# KiCad board A0180_eol_ecu_mix.kicad_pcb
title: ${PART_NUM} ${PCB_NAME} ${ASSY_VARIANT} ${ASSY_NAME}; date: 2025-03-12; rev: ${REVISION}${REVISION_SCH}; company: ${COMPANY}; note: ${PART_NUM}; note: ${PRJ_NUM}; note: ${PRJ_NAME}; note: ${DESIGNED}; note: ${PART_NUM_ICT}
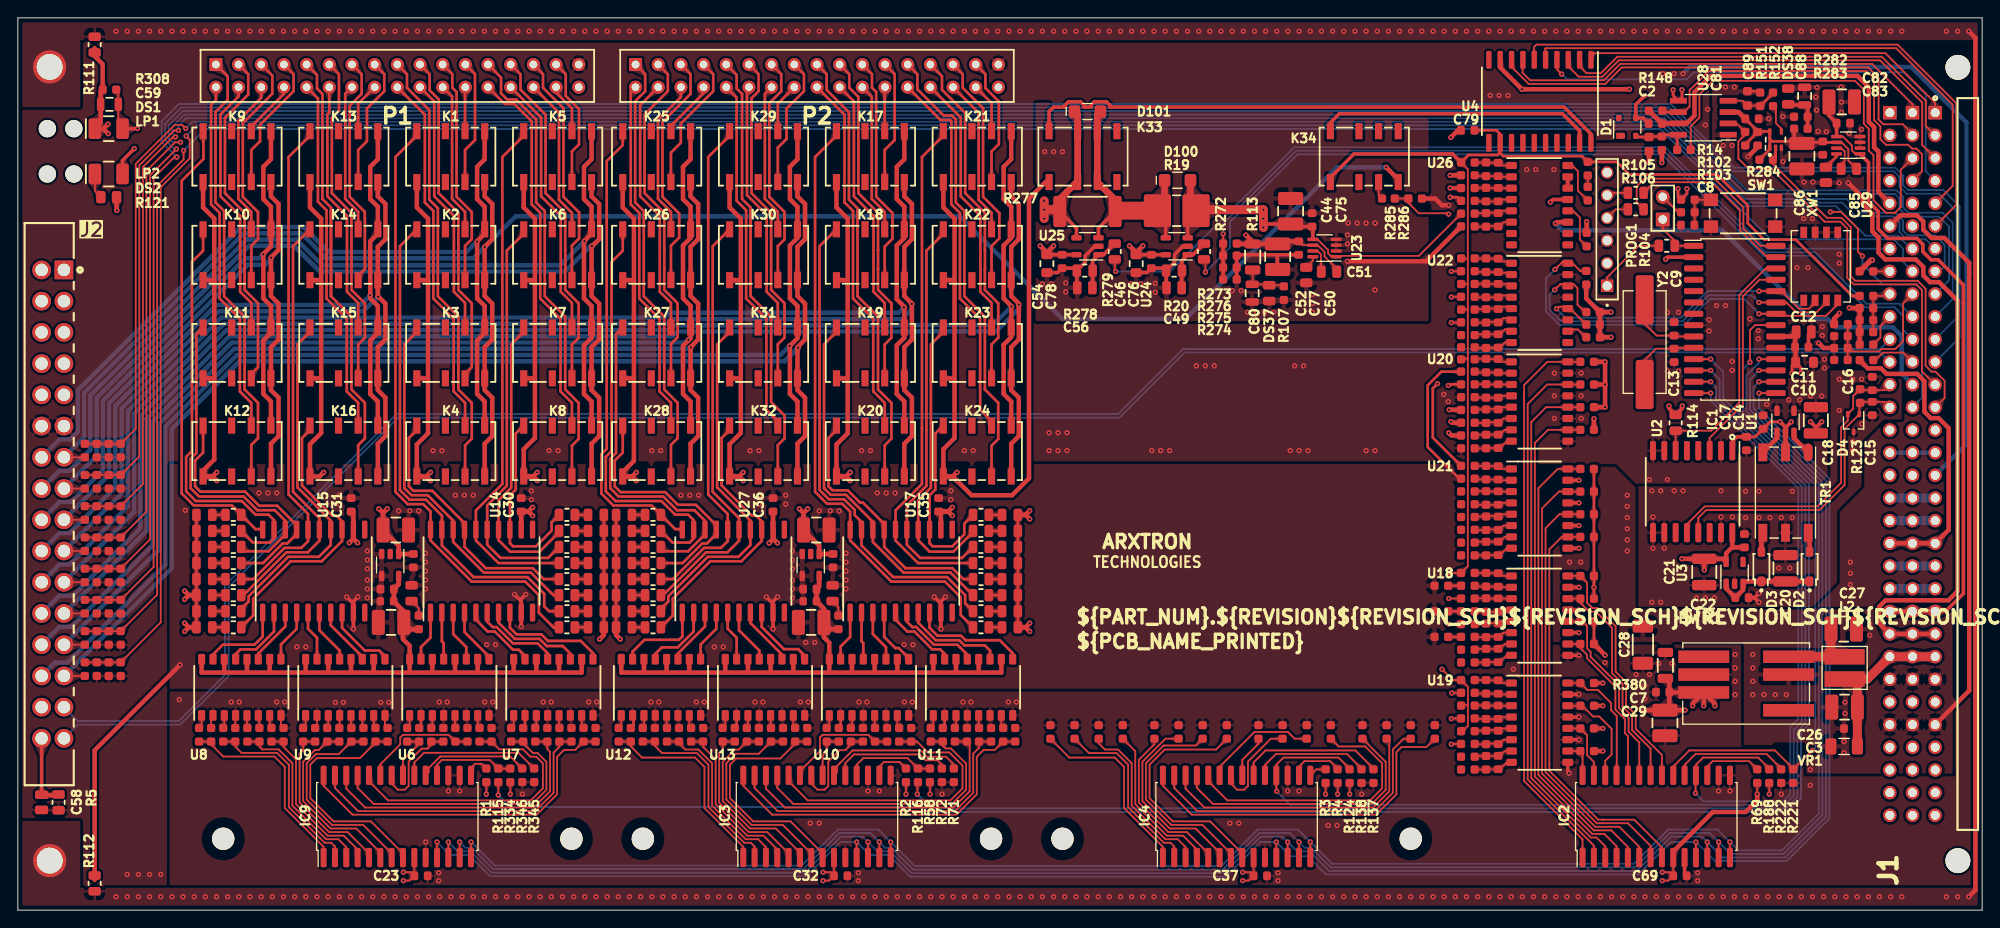
[diagram p0: board, top side]
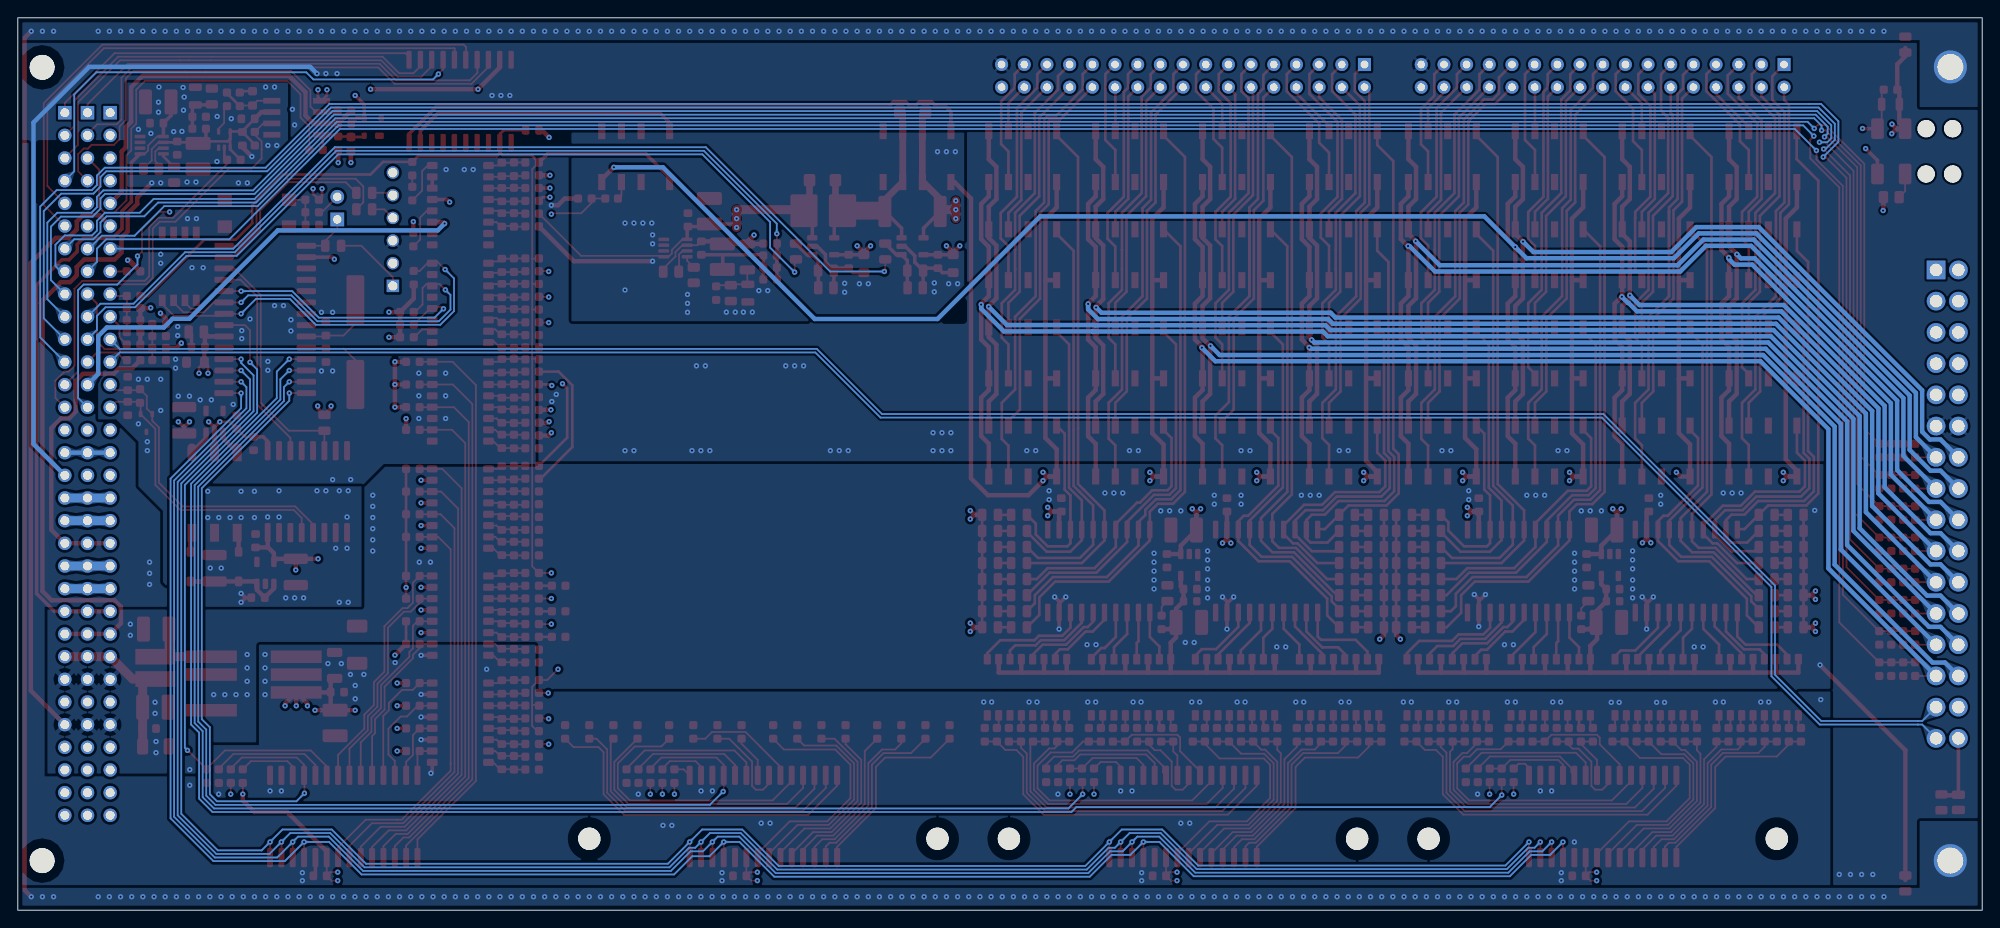
[diagram p1: board, bottom side, seen from below]

Outline 220 x 100 mm; copper layers: Top, In1.Cu, In2.Cu, Bottom. Coordinates in mm from the lower left corner of the outline.
Outline path: 0,100 220,100 220,0 0,0 0,100
Stack: Top 0.035mm / dielectric 0.48mm FR4 er 4.5 / In1.Cu 0.035mm / dielectric 0.48mm FR4 er 4.5 / In2.Cu 0.035mm / dielectric 0.48mm FR4 er 4.5 / Bottom 0.035mm

## Placement (name value [footprint] x y rotation side)
C1  C0603C103F3GACTU  [CAPC1608X92]  182.69 85.85 90 top
C2  06035C104KAZ2A  [CAPC1608X90N]  183.4 88.16 180 top
C3  06035C104KAZ2A  [CAPC1608X90N]  205.27 20.35 180 top
C4  06035C104KAZ2A  [CAPC1608X90N]  165.8 83.01 270 top
C5  06035C104KAZ2A  [CAPC1608X90N]  165.8 80.19 270 top
C6  06035C104KAZ2A  [CAPC1608X90N]  165.8 77.36 270 top
C7  06035C104KAZ2A  [CAPC1608X90N]  184.22 24.43 180 top
C8  06035C104KAZ2A  [CAPC1608X90N]  187.02 76.78 180 top
C9  08055A220JAT2A  [CAPC1608X90N]  185.5 65.14 90 top
C10  08055C105KAT2A  [CAPC2012X94]  200.11 61.4 0 top
C11  06035C104KAZ2A  [CAPC1608X90N]  199.8 63.1 0 top
C12  C0805C101K5RACTU  [CAPC2012X120N]  200.02 64.8 0 top
C13  08055A220JAT2A  [CAPC1608X90N]  185.5 62.17 270 top
C14  06035C104KAZ2A  [CAPC1608X90N]  195.47 54.7 90 top
C15  08055A220JAT2A  [CAPC1608X90N]  207.7 56.22 270 top
C16  08055A220JAT2A  [CAPC1608X90N]  207.7 59.02 90 top
C17  06035C104KAZ2A  [CAPC1608X90N]  193.6 52.3 270 top
C18  12103C106KAT2A  [CAPC3225X94N]  201.38 54.9 90 top
C19  06035C104KAZ2A  [CAPC1608X90N]  193.38 41.4 270 top
C20  12103C106KAT2A  [CAPC3225X94N]  197.97 38.32 90 top
C21  12103C106KAT2A  [CAPC3225X94N]  188.88 37.9 270 top
C22  06035C104KAZ2A  [CAPC1608X90N]  193.1 35.03 0 top
C23  06035C104KAZ2A  [CAPC1608X90N]  45.16 3.85 0 top
C24  06035C104KAZ2A  [CAPC1608X90N]  44.3 39.16 90 top
C25  06035C104KAZ2A  [CAPC1608X90N]  41.36 35.98 0 top
C26  CL32B106KBJNNWE  [CAPC3225X280N]  204.6 22.75 180 top
C27  CL32B106KBJNNWE  [CAPC3225X280N]  204.5 31.5 0 top
C28  1808HC471KAT2A  [CAPC4520X102N]  182 29.75 270 top
C29  CL32B106KBJNNWE  [CAPC3225X280N]  184.47 20.98 270 top
C30  06035C104KAZ2A  [CAPC1608X90N]  56.38 45.42 270 top
C31  06035C104KAZ2A  [CAPC1608X90N]  37.33 45.42 270 top
C32  06035C104KAZ2A  [CAPC1608X90N]  92.16 3.85 0 top
C33  06035C104KAZ2A  [CAPC1608X90N]  91.3 39.16 90 top
C34  06035C104KAZ2A  [CAPC1608X90N]  88.7 35.98 0 top
C35  06035C104KAZ2A  [CAPC1608X90N]  103.13 45.42 270 top
C36  06035C104KAZ2A  [CAPC1608X90N]  84.58 45.42 270 top
C37  06035C104KAZ2A  [CAPC1608X90N]  139.16 3.85 0 top
C38  06035C104KAZ2A  [CAPC1608X90N]  165.8 37.01 270 top
C39  06035C104KAZ2A  [CAPC1608X90N]  165.8 34.19 270 top
C40  06035C104KAZ2A  [CAPC1608X90N]  165.8 31.36 270 top
C41  06035C104KAZ2A  [CAPC1608X90N]  165.8 28.54 270 top
C42  06035C104KAZ2A  [CAPC1608X90N]  165.8 25.01 270 top
C43  06035C104KAZ2A  [CAPC1608X90N]  165.8 22.19 270 top
C44  CL32B106KBJNNWE  [CAPC3225X280N]  142.55 78.33 90 top
C45  06035C104KAZ2A  [CAPC1608X90N]  165.8 19.36 270 top
C46  08055C105KAT2A  [CAPC2012X94]  125.25 72.45 90 top
C47  06035C104KAZ2A  [CAPC1608X90N]  165.8 16.54 270 top
C48  06035C104KAZ2A  [CAPC1608X90N]  165.8 61.01 270 top
C49  C0805C101K5RACTU  [CAPC2012X120N]  129.5 69.75 0 top  (not fitted)
C50  GRM2195C1H103FA01D  [CAPC2012X135N]  144.3 71.17 90 top
C51  GRM2195C1H103FA01D  [CAPC2012X135N]  146.85 71.55 0 top
C52  CL32B106KBJNNWE  [CAPC3225X280N]  141.1 73.23 270 top
C53  06035C104KAZ2A  [CAPC1608X90N]  165.8 58.19 270 top
C54  08055C105KAT2A  [CAPC2012X94]  115.25 72.45 90 top
C55  06035C104KAZ2A  [CAPC1608X90N]  165.8 55.36 270 top
C56  C0805C101K5RACTU  [CAPC2012X120N]  119.5 69.75 0 top  (not fitted)
C57  06035C104KAZ2A  [CAPC1608X90N]  165.8 52.54 270 top
C58  C0805C101K5RACTU  [CAPC2012X120N]  2.66 12.08 90 top
C59  CGA4J2NP01H223J125AA  [CAPC2012X145N]  10.26 90.31 180 top
C60  CL32B106KBJNNWE  [CAPC3225X280N]  42.33 42.6 0 top
C61  06035C104KAZ2A  [CAPC1608X90N]  165.8 49.01 270 top
C62  CL32B106KBJNNWE  [CAPC3225X280N]  41.8 32.25 180 top
C63  06035C104KAZ2A  [CAPC1608X90N]  165.8 46.19 270 top
C64  GRM1885C1H102FA01D  [CAPC1608X55N]  41.34 34.62 0 top
C65  CL32B106KBJNNWE  [CAPC3225X280N]  89.43 42.6 0 top
C66  06035C104KAZ2A  [CAPC1608X90N]  165.8 43.36 270 top
C67  CL32B106KBJNNWE  [CAPC3225X280N]  88.85 32.25 180 top
C68  06035C104KAZ2A  [CAPC1608X90N]  165.8 40.54 270 top
C69  06035C104KAZ2A  [CAPC1608X90N]  186.16 3.85 0 top
C70  GRM1885C1H102FA01D  [CAPC1608X55N]  88.7 34.62 0 top
C71  06035C104KAZ2A  [CAPC1608X90N]  165.8 72.26 270 top
C72  06035C104KAZ2A  [CAPC1608X90N]  165.8 69.44 270 top
C73  06035C104KAZ2A  [CAPC1608X90N]  165.8 66.61 270 top
C74  06035C104KAZ2A  [CAPC1608X90N]  165.8 63.79 270 top
C75  06035C104KAZ2A  [CAPC1608X90N]  144.95 77.36 270 top
C76  06035C104KAZ2A  [CAPC1608X90N]  126.95 72.7 90 top
C77  06035C104KAZ2A  [CAPC1608X90N]  143.45 74.2 90 top
C78  06035C104KAZ2A  [CAPC1608X90N]  116.95 72.7 90 top
C79  06035C104KAZ2A  [CAPC1608X90N]  162.38 87.4 180 top
C80  CGA4J2NP01H223J125AA  [CAPC2012X145N]  138.24 69.15 90 top
C81  06035C104KAZ2A  [CAPC1608X90N]  194.22 88.69 0 top
C82  CL32B106KBJNNWE  [CAPC3225X280N]  204.27 90.58 0 top
C83  06035C104KAZ2A  [CAPC1608X90N]  204.45 88.2 180 top
C84  GRM2195C1H103FA01D  [CAPC2012X135N]  202.5 82.4 90 top
C85  GRM2195C1H103FA01D  [CAPC2012X135N]  205.07 83.08 0 top
C86  CL32B106KBJNNWE  [CAPC3225X280N]  199.81 84.5 270 top
C87  06035C104KAZ2A  [CAPC1608X90N]  202.15 85.4 90 top
C88  CGA4J2NP01H223J125AA  [CAPC2012X145N]  200.12 91.23 270 top
C89  C0603C103F3GACTU  [CAPC1608X92]  193.72 90.98 270 top
C90  06035C104KAZ2A  [CAPC1608X90N]  194.85 86.45 270 top
D1  BAS28  [SOT143-4P190_230X110L30X43]  180.25 87.78 90 top
D2  SBR80520LT1G  [SOD3716X118]  200.68 38.5 90 top
D3  SBR80520LT1G  [SOD3716X118]  195.28 38.5 90 top
D4  ESDCAN05-2BWY  [SOT65P210X110-3]  205.6 54.6 270 top  (not fitted)
D100  STPS2H100ZFY  [SODFL3516X110]  129.88 81.8 0 top
D101  STPS2H100ZFY  [SODFL3516X110]  119.79 89.5 0 top
DS1  597-3308-202F  [LEDM3527X190]  10.17 87.58 0 top
DS2  597-3308-202F  [LEDM3527X190]  10.17 82.5 0 top
DS3  LTST-C171KGKT  [LEDC2012X120N]  64.74 31.7 0 top  (not fitted)
DS4  LTST-C171KGKT  [LEDC2012X120N]  64.74 33.5 0 top  (not fitted)
DS5  LTST-C171KGKT  [LEDC2012X120N]  64.74 35.3 0 top  (not fitted)
DS6  LTST-C171KGKT  [LEDC2012X120N]  64.74 37.1 0 top  (not fitted)
DS7  LTST-C171KGKT  [LEDC2012X120N]  64.74 38.9 0 top  (not fitted)
DS8  LTST-C171KGKT  [LEDC2012X120N]  64.74 40.7 0 top  (not fitted)
DS9  LTST-C171KGKT  [LEDC2012X120N]  64.74 42.5 0 top  (not fitted)
DS10  LTST-C171KGKT  [LEDC2012X120N]  64.74 44.3 0 top  (not fitted)
DS11  LTST-C171KGKT  [LEDC2012X120N]  20.88 44.3 180 top  (not fitted)
DS12  LTST-C171KGKT  [LEDC2012X120N]  20.88 42.5 180 top  (not fitted)
DS13  LTST-C171KGKT  [LEDC2012X120N]  20.88 40.7 180 top  (not fitted)
DS14  LTST-C171KGKT  [LEDC2012X120N]  20.88 38.9 180 top  (not fitted)
DS15  LTST-C171KGKT  [LEDC2012X120N]  20.88 37.1 180 top  (not fitted)
DS16  LTST-C171KGKT  [LEDC2012X120N]  20.88 35.3 180 top  (not fitted)
DS17  LTST-C171KGKT  [LEDC2012X120N]  20.88 33.5 180 top  (not fitted)
DS18  LTST-C171KGKT  [LEDC2012X120N]  20.88 31.7 180 top  (not fitted)
DS19  LTST-C171KGKT  [LEDC2012X120N]  111.11 31.7 0 top  (not fitted)
DS20  LTST-C171KGKT  [LEDC2012X120N]  111.11 33.5 0 top  (not fitted)
DS21  LTST-C171KGKT  [LEDC2012X120N]  111.11 35.3 0 top  (not fitted)
DS22  LTST-C171KGKT  [LEDC2012X120N]  111.11 37.1 0 top  (not fitted)
DS23  LTST-C171KGKT  [LEDC2012X120N]  111.11 38.9 0 top  (not fitted)
DS24  LTST-C171KGKT  [LEDC2012X120N]  111.11 40.7 0 top  (not fitted)
DS25  LTST-C171KGKT  [LEDC2012X120N]  111.11 42.5 0 top  (not fitted)
DS26  LTST-C171KGKT  [LEDC2012X120N]  111.11 44.3 0 top  (not fitted)
DS27  LTST-C171KGKT  [LEDC2012X120N]  67.88 44.3 180 top  (not fitted)
DS28  LTST-C171KGKT  [LEDC2012X120N]  67.88 42.5 180 top  (not fitted)
DS29  LTST-C171KGKT  [LEDC2012X120N]  67.88 40.7 180 top  (not fitted)
DS30  LTST-C171KGKT  [LEDC2012X120N]  67.88 38.9 180 top  (not fitted)
DS31  LTST-C171KGKT  [LEDC2012X120N]  67.88 37.1 180 top  (not fitted)
DS32  LTST-C171KGKT  [LEDC2012X120N]  67.88 35.3 180 top  (not fitted)
DS33  LTST-C171KGKT  [LEDC2012X120N]  67.88 33.5 180 top  (not fitted)
DS34  LTST-C171KGKT  [LEDC2012X120N]  67.88 31.7 180 top  (not fitted)
DS35  LTST-C171KGKT  [LEDC2012X120N]  44.1 35.52 270 top
DS36  LTST-C171KGKT  [LEDC2012X120N]  91.25 35.52 270 top
DS37  LTST-C171KGKT  [LEDC2012X120N]  140.15 69.15 90 top
DS38  LTST-C171KGKT  [LEDC2012X120N]  198.27 91.19 270 top
FP1  ~  [FP_4U_PCB_BRACKET]  3.57 5.55 0 top
IC1  PIC18F26K83-I_SO  [SOIC28P127_1786X1034X264L83X43N]  192.3 66.2 0 top
IC2  MCP23S17_E_SO  [SOIC28P127_1786X1034X264L83X43N]  183.5 10.5 90 top
IC3  MCP23S17_E_SO  [SOIC28P127_1786X1034X264L83X43N]  89.5 10.5 90 top
IC4  MCP23S17_E_SO  [SOIC28P127_1786X1034X264L83X43N]  136.5 10.5 90 top
IC9  MCP23S17_E_SO  [SOIC28P127_1786X1034X264L83X43N]  42.5 10.5 90 top
J1  5536437-4  [TE_5536437-4]  214.74 50 90 top
J2  1787153  [PHOENIX_1787153]  0.46 45.5 270 top
JP1  61300211121  [WURTH_61300211121]  184.22 77.41 90 top
K1  G6K-2G-Y-TR_DC24_DPDT  [OMRON_G6K-2G-Y]  48.48 84.45 0 top
K2  G6K-2G-Y-TR_DC24_DPDT  [OMRON_G6K-2G-Y]  48.48 73.45 0 top
K3  G6K-2G-Y-TR_DC24_DPDT  [OMRON_G6K-2G-Y]  48.48 62.45 0 top
K4  G6K-2G-Y-TR_DC24_DPDT  [OMRON_G6K-2G-Y]  48.48 51.45 0 top
K5  G6K-2G-Y-TR_DC24_DPDT  [OMRON_G6K-2G-Y]  60.45 84.45 0 top
K6  G6K-2G-Y-TR_DC24_DPDT  [OMRON_G6K-2G-Y]  60.45 73.45 0 top
K7  G6K-2G-Y-TR_DC24_DPDT  [OMRON_G6K-2G-Y]  60.45 62.45 0 top
K8  G6K-2G-Y-TR_DC24_DPDT  [OMRON_G6K-2G-Y]  60.45 51.45 0 top
K9  G6K-2G-Y-TR_DC24_DPDT  [OMRON_G6K-2G-Y]  24.55 84.45 0 top
K10  G6K-2G-Y-TR_DC24_DPDT  [OMRON_G6K-2G-Y]  24.55 73.45 0 top
K11  G6K-2G-Y-TR_DC24_DPDT  [OMRON_G6K-2G-Y]  24.55 62.45 0 top
K12  G6K-2G-Y-TR_DC24_DPDT  [OMRON_G6K-2G-Y]  24.55 51.45 0 top
K13  G6K-2G-Y-TR_DC24_DPDT  [OMRON_G6K-2G-Y]  36.52 84.45 0 top
K14  G6K-2G-Y-TR_DC24_DPDT  [OMRON_G6K-2G-Y]  36.52 73.45 0 top
K15  G6K-2G-Y-TR_DC24_DPDT  [OMRON_G6K-2G-Y]  36.52 62.45 0 top
K16  G6K-2G-Y-TR_DC24_DPDT  [OMRON_G6K-2G-Y]  36.52 51.45 0 top
K17  G6K-2G-Y-TR_DC24_DPDT  [OMRON_G6K-2G-Y]  95.49 84.45 0 top
K18  G6K-2G-Y-TR_DC24_DPDT  [OMRON_G6K-2G-Y]  95.49 73.45 0 top
K19  G6K-2G-Y-TR_DC24_DPDT  [OMRON_G6K-2G-Y]  95.49 62.45 0 top
K20  G6K-2G-Y-TR_DC24_DPDT  [OMRON_G6K-2G-Y]  95.49 51.45 0 top
K21  G6K-2G-Y-TR_DC24_DPDT  [OMRON_G6K-2G-Y]  107.46 84.45 0 top
K22  G6K-2G-Y-TR_DC24_DPDT  [OMRON_G6K-2G-Y]  107.46 73.45 0 top
K23  G6K-2G-Y-TR_DC24_DPDT  [OMRON_G6K-2G-Y]  107.46 62.45 0 top
K24  G6K-2G-Y-TR_DC24_DPDT  [OMRON_G6K-2G-Y]  107.46 51.45 0 top
K25  G6K-2G-Y-TR_DC24_DPDT  [OMRON_G6K-2G-Y]  71.55 84.45 0 top
K26  G6K-2G-Y-TR_DC24_DPDT  [OMRON_G6K-2G-Y]  71.55 73.45 0 top
K27  G6K-2G-Y-TR_DC24_DPDT  [OMRON_G6K-2G-Y]  71.55 62.45 0 top
K28  G6K-2G-Y-TR_DC24_DPDT  [OMRON_G6K-2G-Y]  71.55 51.45 0 top
K29  G6K-2G-Y-TR_DC24_DPDT  [OMRON_G6K-2G-Y]  83.51 84.45 0 top
K30  G6K-2G-Y-TR_DC24_DPDT  [OMRON_G6K-2G-Y]  83.51 73.45 0 top
K31  G6K-2G-Y-TR_DC24_DPDT  [OMRON_G6K-2G-Y]  83.51 62.45 0 top
K32  G6K-2G-Y-TR_DC24_DPDT  [OMRON_G6K-2G-Y]  83.51 51.45 0 top
K33  G6K-2G-Y-TR_DC24_DPDT  [OMRON_G6K-2G-Y]  119.29 84.45 0 top
K34  G6K-2G-Y-TR_DC24_DPDT  [OMRON_G6K-2G-Y]  150.8 84.45 0 top
L2  TCK-131  [TRACO_TCK-131]  204.6 27.15 0 top
LP1  5151049F  [DIALIGHT_5151049F]  -5.33 87.58 0 top
LP2  5151049F  [DIALIGHT_5151049F]  -5.33 82.5 0 top
MH1  -  [MTGNPH250Z345K480]  23 8 0 top
MH2  -  [MTGNPH250Z345K480]  62 8 0 top
MH3  -  [MTGNPH250Z345K480]  70 8 0 top
MH4  -  [MTGNPH250Z345K480]  109 8 0 top
MH5  -  [MTGNPH250Z345K480]  117 8 0 top
MH6  -  [MTGNPH250Z345K480]  156 8 0 top
P1  SLW-117-01-L-D_VAR1  [SAMTEC_SLW-117-01-X-D]  42.5 93.5 0 top
P2  SLW-117-01-L-D_VAR1  [SAMTEC_SLW-117-01-X-D]  89.5 93.5 0 top
PROG1  SSW-106-02-G-S  [SAMTEC_SSW-106-02-G-S]  178 69.96 90 top
PWR1  TDN_3-2410WISM  [TRACO_TDN_3WISM]  193.57 25.4 0 top
R1  RC0603FR-074K7L  [RESC1608X65N]  52.47 15.11 270 top
R2  RC0603FR-074K7L  [RESC1608X65N]  99.47 15.11 270 top
R3  RC0603FR-074K7L  [RESC1608X65N]  146.47 15.02 90 top
R4  RC0603FR-074K7L  [RESC1608X65N]  147.81 15.02 90 top
R5  RC0805JR-071ML  [RESC2012X65N]  4.56 12.08 90 top
R6  RC0603JR-072K2L  [RESC1608X65N]  162.4 83.79 0 top
R7  RT0603BRD07432KL  [RESC1608X65N]  204.18 64.34 0 top
R8  RT0603BRD07432KL  [RESC1608X65N]  204.18 63 0 top
R9  RT0603BRD07432KL  [RESC1608X65N]  204.18 65.68 180 top
R10  RT0603BRD07432KL  [RESC1608X65N]  204.18 61.66 0 top
R11  RC0603JR-070RL  [RESC1608X65N]  207.04 61.64 180 top
R12  RC0603JR-070RL  [RESC1608X65N]  207.04 71.59 180 top
R13  RC0603JR-070RL  [RESC1608X65N]  207.04 63.38 180 top
R14  RC0603FR-07510RL  [RESC1608X65N]  186.6 85.2 180 top
R15  RT0603BRD07432KL  [RESC1608X65N]  207.04 67.47 0 top
R16  RT0603BRD07432KL  [RESC1608X65N]  207.04 66.13 0 top
R17  RT0603BRD07432KL  [RESC1608X65N]  207.04 68.83 180 top
R18  RT0603BRD07432KL  [RESC1608X65N]  207.04 64.79 0 top
R19  WSL2512R1000FEA  [RESC6331X88]  129.79 78.39 180 top
R20  RC0805FR-0720KL  [RESC2012X65N]  129.49 71.67 180 top  (not fitted)
R21  RC0603FR-07510RL  [RESC1608X65N]  43.6 19.65 90 top
R22  RC0603FR-07510RL  [RESC1608X65N]  46.3 19.65 90 top
R23  RC0603FR-07510RL  [RESC1608X65N]  49 19.65 90 top
R24  RC0603FR-07510RL  [RESC1608X65N]  51.7 19.65 90 top
R25  RC0603FR-07510RL  [RESC1608X65N]  55.25 19.66 90 top
R26  RC0603FR-07510RL  [RESC1608X65N]  57.95 19.66 90 top
R27  RC0603FR-07510RL  [RESC1608X65N]  60.65 19.66 90 top
R28  RC0603FR-07510RL  [RESC1608X65N]  63.35 19.66 90 top
R29  RC0603FR-07510RL  [RESC1608X65N]  20.3 19.65 90 top
R30  RC0603FR-07510RL  [RESC1608X65N]  23 19.65 90 top
R31  RC0603FR-07510RL  [RESC1608X65N]  25.7 19.65 90 top
R32  RC0603FR-07510RL  [RESC1608X65N]  28.4 19.65 90 top
R33  RC0603FR-07510RL  [RESC1608X65N]  31.95 19.65 90 top
R34  RC0603FR-07510RL  [RESC1608X65N]  34.65 19.65 90 top
R35  RC0603FR-07510RL  [RESC1608X65N]  37.35 19.65 90 top
R36  RC0603FR-07510RL  [RESC1608X65N]  40.05 19.65 90 top
R37  RC0805FR-075K1L  [RESC2012X65N]  61.5 31.7 0 top  (not fitted)
R38  RC0805FR-075K1L  [RESC2012X65N]  61.5 33.5 0 top  (not fitted)
R39  RC0805FR-075K1L  [RESC2012X65N]  61.5 35.3 0 top  (not fitted)
R40  RC0805FR-075K1L  [RESC2012X65N]  61.5 37.1 0 top  (not fitted)
R41  RC0805FR-075K1L  [RESC2012X65N]  61.5 38.9 0 top  (not fitted)
R42  RC0805FR-075K1L  [RESC2012X65N]  61.5 40.7 0 top  (not fitted)
R43  RC0805FR-075K1L  [RESC2012X65N]  61.5 42.5 0 top  (not fitted)
R44  RC0805FR-075K1L  [RESC2012X65N]  61.5 44.3 0 top  (not fitted)
R45  RC0805FR-075K1L  [RESC2012X65N]  24.13 44.3 180 top  (not fitted)
R46  RC0805FR-075K1L  [RESC2012X65N]  24.13 42.5 180 top  (not fitted)
R47  RC0805FR-075K1L  [RESC2012X65N]  24.13 40.7 180 top  (not fitted)
R48  RC0805FR-075K1L  [RESC2012X65N]  24.13 38.9 180 top  (not fitted)
R49  RC0805FR-075K1L  [RESC2012X65N]  24.13 37.1 180 top  (not fitted)
R50  RC0805FR-075K1L  [RESC2012X65N]  24.13 35.3 180 top  (not fitted)
R51  RC0805FR-075K1L  [RESC2012X65N]  24.13 33.5 180 top  (not fitted)
R52  RC0805FR-075K1L  [RESC2012X65N]  24.13 31.7 180 top  (not fitted)
R53  RC0603FR-074K7L  [RESC1608X65N]  91.95 19.65 90 top
R54  RC0603FR-074K7L  [RESC1608X65N]  94.65 19.65 90 top
R55  RC0603FR-074K7L  [RESC1608X65N]  97.35 19.65 90 top
R56  RC0603FR-074K7L  [RESC1608X65N]  100.06 19.65 90 top
R57  RC0603FR-074K7L  [RESC1608X65N]  103.6 19.66 90 top
R58  RC0603FR-071KL  [RESC1608X65N]  102.15 15.11 270 top
R59  RC0603FR-074K7L  [RESC1608X65N]  106.3 19.66 90 top
R60  RC0603FR-074K7L  [RESC1608X65N]  109 19.66 90 top
R61  RC0603FR-074K7L  [RESC1608X65N]  111.7 19.66 90 top
R62  RC0603FR-074K7L  [RESC1608X65N]  68.65 19.65 90 top
R63  RC0603FR-074K7L  [RESC1608X65N]  71.35 19.65 90 top
R64  RC0603FR-074K7L  [RESC1608X65N]  74.05 19.65 90 top
R65  RC0603FR-074K7L  [RESC1608X65N]  76.76 19.65 90 top
R66  RC0603FR-074K7L  [RESC1608X65N]  80.3 19.65 90 top
R67  RC0603FR-074K7L  [RESC1608X65N]  83 19.65 90 top
R68  RC0603FR-074K7L  [RESC1608X65N]  85.7 19.65 90 top
R69  RC0603FR-074K7L  [RESC1608X65N]  194.81 15.02 270 top
R70  RC0603FR-074K7L  [RESC1608X65N]  88.41 19.65 90 top
R71  RC0603FR-074K7L  [RESC1608X65N]  104.83 15.11 270 top
R72  RC0603FR-074K7L  [RESC1608X65N]  103.49 15.11 270 top
R73  RC0603FR-07510RL  [RESC1608X65N]  90.6 19.65 90 top
R74  RC0603FR-07510RL  [RESC1608X65N]  93.3 19.65 90 top
R75  RC0603FR-07510RL  [RESC1608X65N]  96 19.65 90 top
R76  RC0603FR-07510RL  [RESC1608X65N]  98.7 19.65 90 top
R77  RC0603FR-07510RL  [RESC1608X65N]  102.25 19.66 90 top
R78  RC0603FR-07510RL  [RESC1608X65N]  104.95 19.66 90 top
R79  RC0603FR-07510RL  [RESC1608X65N]  107.65 19.66 90 top
R80  RC0603FR-07510RL  [RESC1608X65N]  110.35 19.66 90 top
R81  RC0603FR-07510RL  [RESC1608X65N]  67.3 19.65 90 top
R82  RC0603FR-07510RL  [RESC1608X65N]  70 19.65 90 top
R83  RC0603FR-07510RL  [RESC1608X65N]  72.7 19.65 90 top
R84  RC0603FR-07510RL  [RESC1608X65N]  75.4 19.65 90 top
R85  RC0603FR-07510RL  [RESC1608X65N]  78.95 19.65 90 top
R86  RC0603FR-07510RL  [RESC1608X65N]  81.65 19.65 90 top
R87  RC0603FR-07510RL  [RESC1608X65N]  84.35 19.65 90 top
R88  RC0603FR-07510RL  [RESC1608X65N]  87.05 19.65 90 top
R89  RC0805FR-075K1L  [RESC2012X65N]  107.87 31.7 0 top  (not fitted)
R90  RC0805FR-075K1L  [RESC2012X65N]  107.87 33.5 0 top  (not fitted)
R91  RC0805FR-075K1L  [RESC2012X65N]  107.87 35.3 0 top  (not fitted)
R92  RC0805FR-075K1L  [RESC2012X65N]  107.87 37.1 0 top  (not fitted)
R93  RC0805FR-075K1L  [RESC2012X65N]  107.87 38.9 0 top  (not fitted)
R94  RC0805FR-075K1L  [RESC2012X65N]  107.87 40.7 0 top  (not fitted)
R95  RC0805FR-075K1L  [RESC2012X65N]  107.87 42.5 0 top  (not fitted)
R96  RC0805FR-075K1L  [RESC2012X65N]  107.87 44.3 0 top  (not fitted)
R97  RC0805FR-075K1L  [RESC2012X65N]  71.13 44.3 180 top  (not fitted)
R98  RC0805FR-075K1L  [RESC2012X65N]  71.13 42.5 180 top  (not fitted)
R99  RC0805FR-075K1L  [RESC2012X65N]  71.13 40.7 180 top  (not fitted)
R100  RC0805FR-075K1L  [RESC2012X65N]  71.13 38.9 180 top  (not fitted)
R101  RC0805FR-075K1L  [RESC2012X65N]  71.13 37.1 180 top  (not fitted)
R102  RC0603FR-074K7L  [RESC1608X65N]  187.04 79.62 180 top
R103  RC0603FR-071KL  [RESC1608X65N]  187.04 78.21 180 top
R104  RC0805FR-07100RL  [RESC2012X65N]  184.68 74.45 0 top
R105  RC0805FR-0710RL  [RESC2012X65N]  181.2 80.39 0 top
R106  RC0805FR-0710RL  [RESC2012X65N]  181.2 78.54 0 top
R107  RC0603JR-072K2L  [RESC1608X65N]  141.79 69.15 90 top
R108  RC0805FR-075K1L  [RESC2012X65N]  71.13 35.3 180 top  (not fitted)
R109  RC0805FR-075K1L  [RESC2012X65N]  71.13 33.5 180 top  (not fitted)
R110  RC0805FR-075K1L  [RESC2012X65N]  71.13 31.7 180 top  (not fitted)
R111  RC0805JR-071ML  [RESC2012X65N]  8.6 97 270 top
R112  RC0805JR-071ML  [RESC2012X65N]  8.6 3 90 top
R113  RC1206FR-071KL  [RESC3116X65N]  138.3 73.2 90 top  (not fitted)
R114  RC0805FR-072KL  [RESC2012X65N]  185.67 54.61 270 top
R115  RC0603JR-070RL  [RESC1608X65N]  53.81 15.11 90 top
R116  RC0603JR-070RL  [RESC1608X65N]  100.81 15.11 90 top
R117  RC0603FR-074K7L  [RESC1608X65N]  138.95 19.97 90 top
R118  RC0603FR-074K7L  [RESC1608X65N]  141.65 19.97 90 top
R119  RC0603FR-074K7L  [RESC1608X65N]  144.35 19.97 90 top
R120  RC0603FR-074K7L  [RESC1608X65N]  147.06 19.97 90 top
R121  RMCF0805JT680R  [RESC2012X55N]  10.18 79.9 0 top
R122  RC0603FR-074K7L  [RESC1608X65N]  150.6 19.98 90 top
R123  RC0603FR-071KL  [RESC1608X65N]  206.32 57.62 90 top  (not fitted)
R124  RC0603FR-071KL  [RESC1608X65N]  149.15 15.02 270 top
R125  RC0603FR-074K7L  [RESC1608X65N]  153.3 19.98 90 top
R126  RC0603FR-074K7L  [RESC1608X65N]  156 19.98 90 top
R127  RC0603FR-074K7L  [RESC1608X65N]  158.7 19.98 90 top
R128  RC0603FR-074K7L  [RESC1608X65N]  115.65 19.97 90 top
R129  RC0603FR-074K7L  [RESC1608X65N]  118.35 19.97 90 top
R130  RC0603FR-074K7L  [RESC1608X65N]  121.05 19.97 90 top
R131  RC0603FR-074K7L  [RESC1608X65N]  123.76 19.97 90 top
R132  RC0603JR-072K2L  [RESC1608X65N]  164.44 37.03 270 top
R133  RC0603FR-074K7L  [RESC1608X65N]  127.3 19.97 90 top
R134  RC0603FR-074K7L  [RESC1608X65N]  130 19.97 90 top
R135  RC0603FR-074K7L  [RESC1608X65N]  132.7 19.97 90 top
R136  RC0603FR-074K7L  [RESC1608X65N]  135.41 19.97 90 top
R137  RC0603FR-074K7L  [RESC1608X65N]  151.83 15.02 270 top
R138  RC0603FR-074K7L  [RESC1608X65N]  150.49 15.02 270 top
R139  RC0603FR-07510RL  [RESC1608X65N]  44.9 32.25 90 top
R140  RC0603FR-07510RL  [RESC1608X65N]  91.9 32.25 90 top
R141  RC0603JR-072K2L  [RESC1608X65N]  162.4 82.36 0 top
R142  RC0603FR-07220RL  [RESC1608X65N]  162.4 80.92 0 top
R143  RC0603FR-07220RL  [RESC1608X65N]  162.4 79.49 0 top
R144  RC0603JR-072K2L  [RESC1608X65N]  164.44 83.03 270 top
R145  RC0603JR-072K2L  [RESC1608X65N]  164.44 80.19 270 top
R146  RC0603JR-072K2L  [RESC1608X65N]  175.82 80.3 90 top
R147  RC0603JR-072K2L  [RESC1608X65N]  175.82 83.1 90 top
R148  RC0603JR-072K2L  [RESC1608X65N]  183.42 89.61 180 top
R149  RC0603JR-072K2L  [RESC1608X65N]  184.12 85.95 270 top
R150  RC0603JR-072K2L  [RESC1608X65N]  193.46 86.46 270 top
R151  RC0603JR-072K2L  [RESC1608X65N]  195.14 90.87 90 top
R152  RC0603FR-07510RL  [RESC1608X65N]  196.58 90.87 90 top
R153  RC0603FR-076K49L  [RESC1608X65N]  162.4 78.06 0 top
R154  RC0603FR-076K49L  [RESC1608X65N]  162.4 76.63 0 top
R155  RC0603JR-072K2L  [RESC1608X65N]  164.44 77.36 270 top
R156  RC0603JR-072K2L  [RESC1608X65N]  175.71 75.15 90 top
R157  RT0603BRD07432KL  [RESC1608X65N]  7.5 51.51 90 top
R158  RT0603BRD07432KL  [RESC1608X65N]  10.18 51.51 270 top
R159  RT0603BRD07432KL  [RESC1608X65N]  7.5 48.01 90 top
R160  RT0603BRD07432KL  [RESC1608X65N]  11.52 48.01 270 top
R161  RT0603BRD07432KL  [RESC1608X65N]  7.5 44.51 90 top
R162  RT0603BRD07432KL  [RESC1608X65N]  11.52 44.51 270 top
R163  RT0603BRD07432KL  [RESC1608X65N]  7.5 41.01 90 top
R164  RT0603BRD07432KL  [RESC1608X65N]  11.52 41.01 270 top
R165  RT0603BRD07432KL  [RESC1608X65N]  8.84 51.51 270 top
R166  RT0603BRD07432KL  [RESC1608X65N]  10.18 48.01 270 top
R167  RT0603BRD07432KL  [RESC1608X65N]  10.18 44.51 270 top
R168  RT0603BRD07432KL  [RESC1608X65N]  10.18 41.01 270 top
R169  RT0603BRD07432KL  [RESC1608X65N]  11.52 51.51 270 top
R170  RT0603BRD07432KL  [RESC1608X65N]  8.84 48.01 270 top
R171  RC0603JR-072K2L  [RESC1608X65N]  162.4 37.79 0 top
R172  RC0603JR-072K2L  [RESC1608X65N]  162.4 36.36 0 top
R173  RC0603JR-072K2L  [RESC1608X65N]  162.4 34.92 0 top